# Altium PCB Matrix.PcbDoc (part 2 of 4)
Units mm, origin at the board's own origin, x right, y up, seen from the top; angles counter-clockwise.
Board outline 198.9 x 200.83 mm, 2 copper layers (Top Layer, Bottom Layer), stack 1.55 mm thick; 406 components, 231 nets, 2159 pads, 789 vias.
Unrouted connection lines stored in the file: 16.
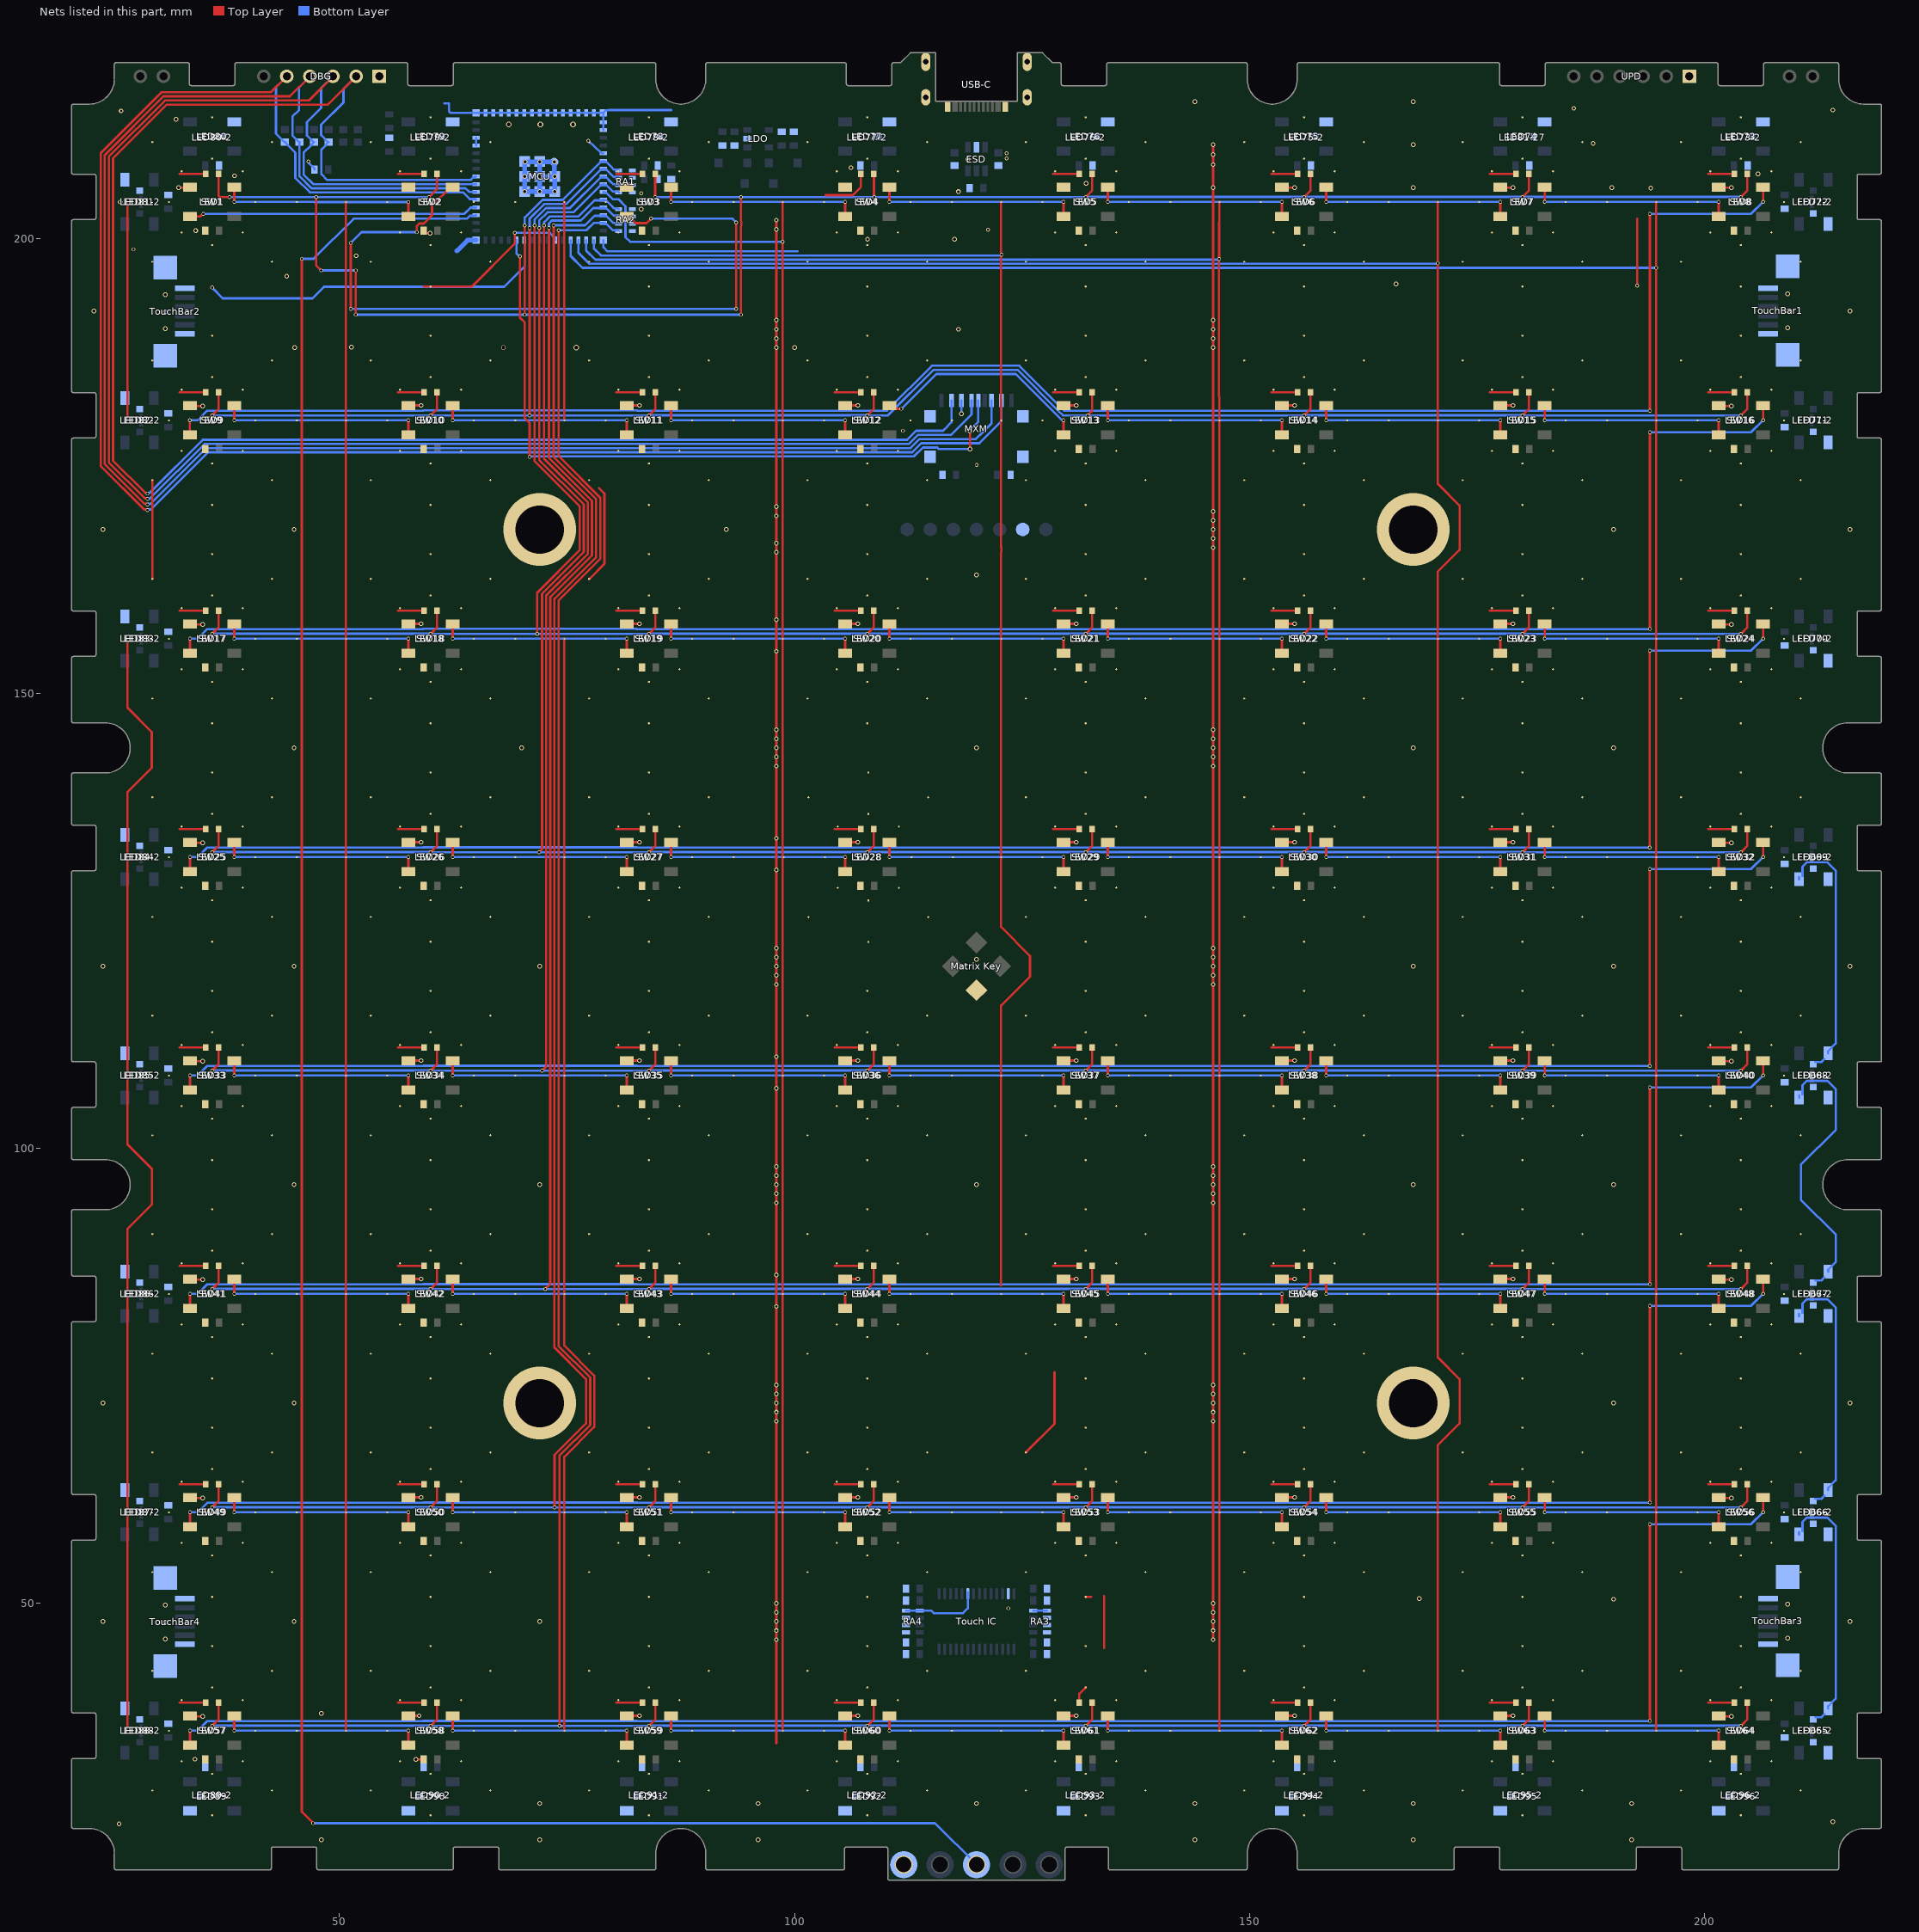
[diagram p2: the nets of this part, all layers, seen from the top]

## Via types
v1: diameter 0.406, hole 0.254, Top Layer to Bottom Layer, tented both sides, 443 vias
v2: diameter 0.508, hole 0.318, Top Layer to Bottom Layer, tented both sides, 331 vias
v3: diameter 0.349, hole 0.254, Top Layer to Bottom Layer, tented both sides, 6 vias
v4: diameter 8, hole 5.3, Top Layer to Bottom Layer, 4 vias
v5: diameter 0.635, hole 0.397, Top Layer to Bottom Layer, tented both sides, 3 vias
v6: diameter 0.508, hole 0.406, Top Layer to Bottom Layer, tented both sides, 1 vias
v7: diameter 0.61, hole 0.406, Top Layer to Bottom Layer, tented both sides, 1 vias

## Nets (pads, with @x,y where several pads share a name; then routed paths per layer and width w, separated by ;. In a path a pad name is that pad's centre, name@x,y a point inside that pad or via, vN(x,y) a via of type N, cw(c..) or ccw(c..) an arc to the next point about the centre after c; other vN are vias at no path point) (continued)
GND: "Matrix Key.2"@120,117.384 "Touch IC.20" "Touch IC.27" C1.1 C2.1 C3.1 C4.2 C5.2 C6.1 C7.1 C8.2 C9.2 C10.2 DBG.1 ESD.2 LC1.1 LC2.1 LC3.1 LC4.1 LC5.1 LC6.1 LC7.1 LC8.1 LC9.1 LC10.1 LC11.1 LC12.1 LC13.1 LC14.1 LC15.1 LC16.1 LC17.1 LC18.1 LC19.1 LC20.1 LC21.1 LC22.1 LC23.1 LC24.1 LC25.1 LC26.1 LC27.1 LC28.1 LC29.1 LC30.1 LC31.1 LC32.1 LC33.1 LC34.1 LC35.1 LC36.1 LC37.1 LC38.1 LC39.1 LC40.1 LC41.1 LC42.1 LC43.1 LC44.1 LC45.1 LC46.1 LC47.1 LC48.1 LC49.1 LC50.1 LC51.1 LC52.1 LC53.1 LC54.1 LC55.1 LC56.1 LC57.1 LC58.1 LC59.1 LC60.1 LC61.1 LC62.1 LC63.1 LC64.1 LC65.1 LC66.1 LC67.1 LC68.1 LC69.1 LC70.1 LC71.1 LC72.1 LC73.1 LC74.1 LC75.1 LC76.1 LC77.1 LC78.1 LC79.1 LC80.1 LC81.1 LC82.1 LC83.1 LC84.1 LC85.1 LC86.1 LC87.1 LC88.1 LC89.1 LC90.1 LC91.1 LC92.1 LC93.1 LC94.1 LC95.1 LC96.1 LDO.2 LED1.3 LED2.3 LED3.3 LED4.3 LED5.3 LED6.3 LED7.3 LED8.3 LED9.3 LED10.3 LED11.3 LED12.3 LED13.3 LED14.3 LED15.3 LED16.3 LED17.3 LED18.3 LED19.3 LED20.3 LED21.3 LED22.3 LED23.3 LED24.3 LED25.3 LED26.3 LED27.3 LED28.3 LED29.3 LED30.3 LED31.3 LED32.3 LED33.3 LED34.3 LED35.3 LED36.3 LED37.3 LED38.3 LED39.3 LED40.3 LED41.3 LED42.3 LED43.3 LED44.3 LED45.3 LED46.3 LED47.3 LED48.3 LED49.3 LED50.3 LED51.3 LED52.3 LED53.3 LED54.3 LED55.3 LED56.3 LED57.3 LED58.3 LED59.3 LED60.3 LED61.3 LED62.3 LED63.3 LED64.3 LED65-2.3 LED65.3 LED66-2.3 LED66.3 LED67-2.3 LED67.3 LED68-2.3 LED68.3 LED69-2.3 LED69.3 LED70-2.3 LED70.3 LED71-2.3 LED71.3 LED72-2.3 LED72.3 LED73-2.3 LED73.3 LED74.3 LED75-2.3 LED75.3 LED76-2.3 LED76.3 LED77-2.3 LED77.3 LED78-2.3 LED78.3 LED79-2.3 LED79.3 LED80-2.3 LED80.3 LED81-2.3 LED81-27.3 LED81.3 LED82-2.3 LED82.3 LED83-2.3 LED83.3 LED84-2.3 LED84.3 LED85-2.3 LED85.3 LED86-2.3 LED86.3 LED87-2.3 LED87.3 LED88-2.3 LED88.3 LED89-2.3 LED89.3 LED90-2.3 LED90.3 LED91-2.3 LED91.3 LED92-2.3 LED92.3 LED93-2.3 LED93.3 LED94-2.3 LED94.3 LED95-2.3 LED95.3 LED96-2.3 LED96.3 MCU.1 MCU.2 MCU.42 MCU.43 MCU.46 MCU.47 MCU.48 MCU.49 MCU.50 MCU.51 MCU.52 MCU.53 MCU.54 MCU.55 MCU.56 MCU.57 MCU.58 MCU.59 MCU.60 MCU.61 MCU.62 MCU.63 MCU.64 MCU.65 MXM.0 MXM.6 P5.5 pad.2 pad.@112,21.277 R1.2 R2.1 RA1.5 RA1.6 RA1.7 RA1.8 RA2.5 RA2.6 RA2.7 RA2.8 RA3.1 RA3.5 RA3.6 RA3.7 RA3.8 RA4.4 RA4.5 RA4.6 RA4.7 RA4.8 TC1.1 TC2.1 TC3.1 TC4.1 TC5.1 TC6.1 TC7.1 TC8.1 TouchBar1.0 TouchBar1.1 TouchBar1.6 TouchBar2.0 TouchBar2.1 TouchBar2.6 TouchBar3.0 TouchBar3.1 TouchBar3.6 TouchBar4.0 TouchBar4.1 TouchBar4.6 UPD.1 USB-C.0 USB-C.A1 USB-C.A12 | length 510.5
  Top Layer w0.254: v2(32.3,205.572) 33.533,205.572 LED1.3@33.562,205.6 LED1.3@33.59,205.572 ; LED57.3@33.583,37.579 v2(34.953,37.579) ; LED49.3@33.583,61.579 v2(34.953,61.579) ; LED41.3@33.583,85.579 v2(34.953,85.579) ; LED33.3@33.583,109.579 v2(34.953,109.579) ; LED25.3@33.583,133.579 v2(34.953,133.579) ; LED17.3@33.583,157.579 v2(34.953,157.579) ; LED9.3@33.583,181.579 v2(34.953,181.579) ; LED58.3@57.583,37.579 57.646,37.641 v2(58.75,37.641) ; LED50.3@57.583,61.579 57.646,61.641 v2(58.953,61.641) ; LED42.3@57.583,85.579 57.646,85.641 v2(58.953,85.641) ; LED34.3@57.583,109.579 57.646,109.641 v2(58.953,109.641) ; LED26.3@57.583,133.579 57.646,133.641 v2(58.953,133.641) ; LED18.3@57.583,157.579 57.646,157.641 v2(58.953,157.641) ; LED10.3@57.583,181.579 57.646,181.641 v2(58.953,181.641) ; v2(58.395,32.847) 59.247,32.847 LC58.1@59.25,32.85 ; LC2.1@59.25,200.75 59.442,200.558 v2(59.946,200.558) ; LED3.3@81.562,205.6 LED3.3@81.567,205.605 ; LED59.3@81.583,37.579 81.646,37.641 v2(82.953,37.641) ; LED51.3@81.583,61.579 81.646,61.641 v2(82.953,61.641) ; LED43.3@81.583,85.579 81.646,85.641 v2(82.953,85.641) ; LED35.3@81.583,109.579 81.646,109.641 v2(82.953,109.641) ; LED27.3@81.583,133.579 81.646,133.641 v2(82.953,133.641) ; LED19.3@81.583,157.579 81.646,157.641 v2(82.953,157.641) ; LED11.3@81.583,181.579 81.646,181.641 v2(82.953,181.641) ; 98,34.619 v2(98,82.619) v2(98,86.101) v2(98,106.576) v2(98,110.059) v2(98,130.576) v2(98,134.059) v2(98,154.619) v2(98,158.101) v2(98,201) v2(98,202) ; LED60.3@105.583,37.579 105.646,37.641 v2(106.953,37.641) ; LED52.3@105.583,61.579 105.646,61.641 v2(106.953,61.641) ; LED44.3@105.583,85.579 105.646,85.641 v2(106.953,85.641) ; LED36.3@105.583,109.579 105.646,109.641 v2(106.953,109.641) ; LED28.3@105.583,133.579 105.646,133.641 v2(106.953,133.641) ; LED20.3@105.583,157.579 105.646,157.641 v2(106.953,157.641) ; LED12.3@105.583,181.579 105.646,181.641 v2(106.953,181.641) ; LED4.3@105.583,205.579 LED4.3@105.759,205.754 ; LED61.3@129.583,37.579 129.646,37.641 v2(130.953,37.641) ; LED53.3@129.583,61.579 129.646,61.641 v2(130.953,61.641) ; LED45.3@129.583,85.579 129.646,85.641 v2(130.953,85.641) ; LED37.3@129.583,109.579 129.646,109.641 v2(130.953,109.641) ; LED29.3@129.583,133.579 129.646,133.641 v2(130.953,133.641) ; LED21.3@129.583,157.579 129.646,157.641 v2(130.953,157.641) ; LED13.3@129.583,181.579 129.646,181.641 v2(130.953,181.641) ; v2(146,46) v2(146,47) v2(146,48) v2(146,49) v2(146,50) v2(146,70) v2(146,71) v2(146,72) v2(146,73) v2(146,74) v2(146,94) v2(146,95) v2(146,96) v2(146,97) v2(146,98) v2(146,118) v2(146,119) v2(146,120) v2(146,121) v2(146,122) v2(146,142) v2(146,143) v2(146,144) v2(146,145) v2(146,146) v2(146,166) v2(146,167) v2(146,168) v2(146,169) v2(146,170) v2(146,188) v2(146,189) v2(146,190) v2(146,191) v2(146,205.579) v2(146,208.095) v2(146,209.193) v2(146,210.291) ; LED62.3@153.583,37.579 153.646,37.641 v2(154.953,37.641) ; LED54.3@153.583,61.579 153.646,61.641 v2(154.953,61.641) ; LED46.3@153.583,85.579 153.646,85.641 v2(154.953,85.641) ; LED38.3@153.583,109.579 153.646,109.641 v2(154.953,109.641) ; LED30.3@153.583,133.579 153.646,133.641 v2(154.953,133.641) ; LED22.3@153.583,157.579 153.646,157.641 v2(154.953,157.641) ; LED14.3@153.583,181.579 153.646,181.641 v2(154.953,181.641) ; LED6.3@153.583,205.579 v2(154.953,205.579) ; LED63.3@177.583,37.579 177.646,37.641 v2(178.953,37.641) ; LED55.3@177.583,61.579 177.646,61.641 v2(178.953,61.641) ; LED47.3@177.583,85.579 177.646,85.641 v2(178.953,85.641) ; LED39.3@177.583,109.579 177.646,109.641 v2(178.953,109.641) ; LED31.3@177.583,133.579 177.646,133.641 v2(178.953,133.641) ; LED23.3@177.583,157.579 177.646,157.641 v2(178.953,157.641) ; LED15.3@177.583,181.579 177.646,181.641 v2(178.953,181.641) ; LED7.3@177.583,205.579 v2(178.953,205.579) ; v1(192.6,194.784) 192.6,202.144 ; LED64.3@201.583,37.579 v2(202.953,37.579) ; LED56.3@201.583,61.579 v2(202.953,61.579) ; LED48.3@201.583,85.579 v2(202.953,85.579) ; LED40.3@201.583,109.579 v2(202.953,109.579) ; LED32.3@201.583,133.579 v2(202.953,133.579) ; LED24.3@201.583,157.579 v2(202.953,157.579) ; LED16.3@201.583,181.579 v2(202.953,181.579) ; LED8.3@201.583,205.579 v2(202.953,205.579)
  Bottom Layer w0.254: v1(46.584,208.443) 46.613,208.413 46.613,208.287 47.25,207.65 C10.2@47.25,207.55 ; 61.496,214.828 62.025,214.828 62.025,213.949 62.174,213.8 MCU.46@66.05,213.8 MCU.47@66.9,213.8 MCU.48@67.75,213.8 MCU.49@68.6,213.8 MCU.50@69.45,213.8 MCU.51@70.3,213.8 MCU.52@71.15,213.8 MCU.53@72,213.8 MCU.54@72.85,213.8 MCU.55@73.7,213.8 MCU.56@74.55,213.8 MCU.57@75.4,213.8 MCU.58@76.25,213.8 MCU.59@77.1,213.8 MCU.60@77.95,213.8 MCU.62@79,213.8 ; MCU.42@65,210.2 MCU.43@65,211.05 ; MCU.63@79,199.8 79,199.019 79.454,198.565 100.328,198.565 ; MCU.2@79,211.9 MCU.1@79,212.75 MCU.62@79,213.8 ; 86.447,214.086 79.604,214.086 79.575,214.056 79.256,214.056 MCU.62@79,213.8 ; LDO.2@94.773,210.923 LDO.2@94.8,210.95 ; RA4.8@112.25,49.2 RA4.4@113.75,49.2 115,49.2 115.284,48.916 118.514,48.916 119.047,49.45 119.047,51.05 119.047,51.229 ; v2(118.347,180.7) 118.348,180.702 MXM.6@118.35,182.185 MXM.6@118.35,182.185 ; RA3.1@126.25,49.2 RA3.5@127.75,49.2
  Bottom Layer w0.508: 62.883,198.61 64.073,199.8 MCU.64@65,199.8 ; MCU.61@72,208.45 v2(72,208.412) ; MCU.61@73.65,205.023 MCU.61@73.65,206.673 ; v2(73.65,205.15) 73.613,205.187 73.575,205.15 v2(72,205.15) ; v2(70.35,206.8) MCU.61@70.35,208.45 v2(70.388,208.412) v2(72,208.412) ; v2(70.35,206.8) v2(72,206.8) ; v2(70.35,206.8) v2(70.35,205.15) v2(72,205.15) ; v2(72,205.15) v2(72,206.8) ; v2(72,206.8) v2(73.65,206.8) 73.613,206.8 73.613,208.338 MCU.61@73.575,208.375 73.538,208.412 v2(72,208.412) ; v2(72,206.8) v2(72,208.412)
  other v1: 123.492,49.446 120.011,175.082 111.915,178.844 27.363,198.79 121.259,200.928 83.147,204.958 123.316,208.772 123.316,209.35
  other v2: 48,24 72,24 96,24 144,24 168,24 192,24 25.774,25.774 214.111,26 72,28 96,28 120,28 144,28 168,28 192,28 34.115,32.867 48,37.891 98,46 30.85,46.058 209.15,46.158 98,47 30.85,47.927 24,48 45,48 72,48 98,48 216,48 209.15,48.027 98,49 30.85,49.797 209.15,49.897 98,50 190,50.437 168.663,50.5 98,70 98,71 24,72 45,72 98,72 190,72 216,72 98,73 98,74 98,94 98,95 45,96 72,96 98,96 120,96 168,96 190,96 98,97 98,98 98,118 98,119 24,120 45,120 72,120 98,120 168,120 190,120 216,120 120,120.761 98,121 98,122 98,142 98,143 45,144 70,144 98,144 120,144 168,144 190,144 98,145 98,146 120,163 98,165.5 98,166.5 24,168 45,168 92.486,168 190,168 216,168 98,169.5 98,170.5 45.082,188 98,188 100,188 51.317,188.042 98,189 98,190 118,190 30.85,190.058 209.15,190.158 98,191 30.85,191.927 23,192 216,192 209.15,192.027 30.85,193.797 209.15,193.897 166.1,195 44.2,195.84 51.82,198.083 108.025,199.882 117.575,199.908 34.185,200.85 83.146,203.2 25.904,203.98 117.996,205.124 194.1,205.536 168,205.579 189.826,205.579 132.051,206.022 38.438,206.866 205.885,207.08 106.185,207.76 73.612,208.412 119.05,208.7 168,210.291 187.77,210.417 32.019,213.086 26,214 214.093,214.093 185.64,214.288 144,215.004 168,215.003
  other v4: 72,72 168,72 72,168 168,168
  other v5: 68.6,212.502 72.058,212.502 75.658,212.512
  other v6: 68,188
  other v7: 76,188
JTCK: DBG.5 MCU.35 MXM.2 R11.2 | length 199.1
  Top Layer w0.254: v1(28.894,170.136) 28.852,170.136 28.776,170.212 28.531,170.212 23.747,174.996 23.747,209.347 30.456,216.056 42.456,216.056 DBG.5@44.2,217.8
  Bottom Layer w0.254: v1(28.894,170.136) 28.935,170.136 29.011,170.212 29.256,170.212 35.535,176.492 112.952,176.492 113.94,177.48 120.314,177.48 122.75,179.916 MXM.2@122.75,182.185 ; R11.2@44,210.56 45.146,209.414 45.146,206.629 46.725,205.05 63.581,205.05 64.308,204.323 64.927,204.323 MCU.35@65,204.25 ; R11.2@44.05,210.56 43.95,210.56 43.011,211.499 43.011,216.611 DBG.5@44.2,217.8
JTDI: DBG.3 MCU.37 MXM.5 R9.2 | length 195.9
  Top Layer w0.254: v1(28.894,171.349) 28.852,171.349 28.776,171.425 28.603,171.425 24.655,175.372 24.655,208.971 30.832,215.148 46.628,215.148 DBG.3@49.28,217.8
  Bottom Layer w0.254: v1(28.894,171.349) 28.923,171.378 29.138,171.378 35.159,177.4 112.576,177.4 113.564,178.388 117.198,178.388 119.45,180.64 MXM.5@119.45,182.185 ; R9.2@47.2,210.56 R9.2@47.15,210.56 ; DBG.3@49.28,217.8 47.974,216.494 47.974,214.326 46.423,212.775 46.423,211.287 R9.2@47.15,210.56 ; MCU.37@65,205.95 64.043,205.95 64.035,205.958 47.101,205.958 46.054,207.005 46.054,209.414 46.877,210.237 46.877,210.287 R9.2@47.15,210.56
JTDO: DBG.4 MCU.36 MXM.3 R10.2 | length 197.9
  Top Layer w0.254: v1(28.894,170.742) 28.852,170.742 28.776,170.819 28.567,170.819 24.201,175.184 24.201,209.159 30.644,215.602 44.542,215.602 DBG.4@46.74,217.8
  Bottom Layer w0.254: v1(28.894,170.742) 28.935,170.742 29.011,170.819 29.22,170.819 35.347,176.946 112.764,176.946 113.752,177.934 119.915,177.934 120.668,178.686 121.65,179.668 MXM.3@121.65,182.185 ; R10.2@45.6,210.56 45.6,206.817 46.913,205.504 63.847,205.504 64.251,205.1 MCU.36@65,205.1 ; R10.2@45.65,210.56 45.55,210.56 44.823,211.287 44.823,213.384 45.551,214.112 45.551,216.611 DBG.4@46.74,217.8
JTMS: DBG.2 MCU.38 MXM.7 R8.2 | length 193.4
  Top Layer w0.254: v1(28.894,171.955) 28.852,171.955 28.776,172.031 28.638,172.031 25.109,175.56 25.109,208.783 31.02,214.694 48.714,214.694 DBG.2@51.82,217.8
  Bottom Layer w0.254: v1(28.894,171.955) 28.935,171.955 29.011,172.031 29.149,172.031 34.971,177.854 112.388,177.854 113.376,178.842 116.312,178.842 116.46,178.99 116.46,179 117.25,179.79 MXM.7@117.25,182.185 ; R8.2@48.8,210.56 R8.2@48.75,210.56 ; DBG.2@51.82,217.8 50.427,216.407 50.427,214.922 47.977,212.472 47.977,211.333 R8.2@48.75,210.56 ; MCU.38@65,206.8 64.927,206.727 64.727,206.727 64.477,206.477 64.465,206.477 64.4,206.412 48.626,206.412 48,207.038 48,209.76 48.477,210.237 48.477,210.287 R8.2@48.75,210.56
Key1: MCU.25 SW1.1 SW9.1 SW17.1 SW25.1 SW33.1 SW41.1 SW49.1 SW57.1 | length 198.6
  Top Layer w0.254: SW57.1@26.7,36 SW49.1@26.7,60 SW41.1@26.7,84 26.7,91.146 29.394,93.84 29.394,97.71 26.7,100.404 SW33.1@26.7,108 SW25.1@26.7,132 26.7,139.146 29.364,141.811 29.364,145.739 26.7,148.404 SW17.1@26.7,156 ; SW9.1@26.7,180 SW1.1@26.7,204 ; SW17.1@29.424,162.576 SW9.1@29.424,173.424 ; v1(36,194.578) SW1.1@36,194.7
  Bottom Layer w0.254: v1(36,194.578) 37.168,193.41 47.014,193.41 48.284,194.68 68.081,194.68 70.356,196.955 70.356,199.744 MCU.25@70.3,199.8
Key2: MCU.21 SW2.1 SW10.1 SW18.1 SW26.1 SW34.1 SW42.1 SW50.1 SW58.1 | length 186.1
  Top Layer w0.254: SW58.1@50.7,36 SW50.1@50.7,60 SW42.1@50.7,84 SW34.1@50.7,108 SW26.1@50.7,132 SW18.1@50.7,156 SW10.1@50.7,180 50.703,180.003 50.703,203.997 SW2.1@50.7,204 ; 59.255,194.7 SW2.1@60,194.7 64.548,194.7 69.253,199.405 v1(69.253,200.603)
  Bottom Layer w0.254: v1(69.253,200.603) 70.425,200.603 70.431,200.598 73.115,200.598 73.377,200.335 73.377,200.323 73.627,200.073 73.627,199.873 MCU.21@73.7,199.8
Key3: MCU.5 SW3.1 SW11.1 SW19.1 SW27.1 SW35.1 SW43.1 SW51.1 SW59.1 | length 160
  Top Layer w0.254: SW59.1@74.7,36 SW51.1@74.7,60 74.7,66.101 77.995,69.396 77.995,75.005 74.7,78.299 SW43.1@74.7,84 SW35.1@74.7,108 SW27.1@74.7,132 SW19.1@74.7,156 ; SW11.1@74.7,180 SW3.1@74.7,204 ; v1(77.341,210.705) 77.341,210.664 77.424,210.58 SW3.1@77.424,210.576 ; SW19.1@77.424,162.546 77.439,162.561 79.108,164.227 79.108,171.922 79.121,171.935 78.522,172.534
  Bottom Layer w0.254: v1(77.341,210.705) 78.727,209.423 78.8,209.35 MCU.5@79,209.35
Key4: MCU.10 SW4.1 SW12.1 SW20.1 SW28.1 SW36.1 SW44.1 SW52.1 SW60.1 | length 191.9
  Top Layer w0.254: SW4.1@98.676,204 98.676,199.118 98.7,199.095 SW12.1@98.7,180 SW20.1@98.7,156 SW36.1@98.7,108 SW60.1@98.7,36
  Bottom Layer w0.254: MCU.10@79,205.1 79.073,205.027 79.285,205.027 80.019,204.294 80.645,204.294 81.426,203.512 81.426,200.127 81.928,199.625 v1(98.676,199.625)
Key5: MCU.16 SW5.1 SW13.1 SW21.1 SW29.1 SW37.1 SW45.1 SW53.1 SW61.1 | length 184.2
  Top Layer w0.254: 122.7,84.904 122.7,115.687 125.873,118.86 125.873,121.14 122.7,124.313 SW29.1@122.7,132 SW21.1@122.7,156 122.7,165.516 122.744,165.559 122.744,166.041 122.704,166.081 122.704,179.967 SW13.1@122.7,179.971 ; SW13.1@122.7,180.029 122.7,183.241 122.689,183.252 122.689,198.005 122.734,198.05 122.734,198.158 v1(122.764,198.187) ; v1@122.7,198.187 SW5.1@122.7,204 ; SW53.1@125.424,66.576 128.568,69.72 128.568,75.392 ; SW53.1@132,50.7 132.59,50.7 ; 134.042,45.1 134.042,50.773
  Bottom Layer w0.254: MCU.16@77.95,199.8 77.95,198.87 78.71,198.111 122.646,198.111 122.722,198.187 v1(122.764,198.187)
Key6: MCU.17 SW6.1 SW14.1 SW22.1 SW30.1 SW38.1 SW46.1 SW54.1 SW62.1 | length 239.2
  Top Layer w0.254: SW62.1@146.7,36 SW54.1@146.7,60 SW46.1@146.7,84 SW38.1@146.7,108 SW30.1@146.7,132 SW22.1@146.7,156 SW14.1@146.7,180 146.7,182.6 146.636,182.664 146.636,197.712 v1(146.657,197.733) 146.657,201.772 146.7,201.815 SW6.1@146.7,204
  Bottom Layer w0.254: MCU.17@77.1,199.8 77.1,198.665 78.109,197.657 146.539,197.657 146.616,197.733 v1(146.657,197.733)
Key7: MCU.18 SW7.1 SW15.1 SW23.1 SW31.1 SW39.1 SW47.1 SW55.1 SW63.1 | length 268.3
  Top Layer w0.254: SW63.1@170.7,36 170.7,67.385 173.087,69.772 173.087,74.629 170.7,77.015 SW47.1@170.7,84 SW39.1@170.7,108 SW31.1@170.7,132 SW23.1@170.7,156 170.7,163.385 173.087,165.772 173.087,170.629 170.7,173.015 v1(170.7,197.279) SW7.1@170.7,204
  Bottom Layer w0.254: MCU.18@76.25,199.8 76.25,198.405 77.453,197.203 170.583,197.203 170.659,197.279 v1(170.7,197.279)
Key8: MCU.19 SW8.1 SW16.1 SW24.1 SW32.1 SW40.1 SW48.1 SW56.1 SW64.1 | length 289.6
  Top Layer w0.254: SW64.1@194.7,36 v1(194.7,196.749) SW8.1@194.7,204
  Bottom Layer w0.254: MCU.19@75.4,199.8 75.4,198.053 76.704,196.749 v1(194.7,196.749)
KeyRead1: D1.2 D2.2 D3.2 D4.2 D5.2 D6.2 D7.2 D8.2 MCU.6 RA1.1 | length 260.3
  Top Layer w0.254: D1.2@36.7,207.08 36.7,204.677 36.849,204.529 37.896,204.529 v1(37.908,204.541) ; v1(47.443,204.52) 47.444,197.004 47.924,196.524 v1@47.97,196.524 ; v1(51.764,191.611) v1(51.764,196.474) ; v1(59.829,204.52) 60.7,205.391 D2.2@60.7,207.08 ; 70.356,200.908 v1(70.356,201.422) ; v1@70.356,191.611 70.356,200.908 ; v1(84.676,204.53) 84.688,204.542 84.688,207.068 D3.2@84.7,207.08 ; v1@94.097,191.627 v1(94.097,191.611) 94.113,191.627 94.113,201.375 94.148,201.41 94.148,201.849 94.113,201.884 94.113,204.514 v1(94.097,204.53) ; D4.2@108.7,207.08 108.721,207.059 108.721,204.551 v1(108.742,204.53) ; v1(132,204.53) 132.7,205.23 D5.2@132.7,207.08 ; v1(156,204.53) 156.7,205.23 D6.2@156.7,207.08 ; v1(180,204.53) 180.7,205.23 D7.2@180.7,207.08 ; v1(204,204.53) 204.7,205.23 D8.2@204.7,207.08
  Bottom Layer w0.254: v1(37.908,204.541) 37.918,204.53 38.658,204.53 v1@47.433,204.53 ; v1(47.443,204.52) v1(59.829,204.52) ; v1(47.974,196.474) v1@51.59,196.474 ; v1(51.764,191.611) v1(70.356,191.611) v1(94.097,191.611) ; v1(70.356,201.422) 70.356,202.277 72.302,204.223 74.511,204.223 78.715,208.427 78.927,208.427 MCU.6@79,208.5 79.073,208.427 79.285,208.427 79.795,207.917 80.164,207.548 80.578,207.548 RA1.1@80.676,207.45 ; v1(84.676,204.53) v1(94.097,204.53) ; v1@94.155,204.53 v1(108.742,204.53) 132,204.53 132.02,204.55 155.546,204.55 155.98,204.55 v1(156,204.53) ; v1@156,204.55 179.98,204.55 v1(180,204.53) ; v1@180,204.55 203.98,204.55 v1(204,204.53)
KeyRead2: D9.2 D10.2 D11.2 D12.2 D13.2 D14.2 D15.2 D16.2 MCU.7 RA1.2 | length 228.9
  Top Layer w0.254: v1(36,180.53) 36.7,181.23 D9.2@36.7,183.08 ; v1(60,180.53) 60.7,181.23 D10.2@60.7,183.08 ; v1(70.886,180.53) v1(70.886,201.128) ; v1(84,180.53) 84.7,181.23 D11.2@84.7,183.08 ; v1(108,180.53) 108.7,181.23 D12.2@108.7,183.08 ; v1(132.223,180.53) 132.7,181.007 D13.2@132.7,183.08 ; v1(156,180.53) 156.7,181.23 D14.2@156.7,183.08 ; v1(180,180.53) 180.7,181.23 D15.2@180.7,183.08 ; v1(204,180.53) 204.7,181.23 D16.2@204.7,183.08
  Bottom Layer w0.254: v1(36,180.53) v1(60,180.53) ; v1@60.02,180.53 v1(70.886,180.53) v1(84,180.53) ; v1(70.886,201.128) 70.886,202.165 72.49,203.769 74.907,203.769 78.715,207.577 78.927,207.577 MCU.7@79,207.65 79.073,207.577 79.285,207.577 79.77,207.092 80.129,206.734 80.592,206.734 RA1.2@80.676,206.65 ; v1@84,180.55 107.98,180.55 v1(108,180.53) 110.267,180.53 115.283,185.546 124.502,185.546 129.018,181.03 129.518,180.53 v1(132.223,180.53) ; v1@132.26,180.497 132.293,180.53 v1(156,180.53) ; v1@156,180.55 179.98,180.55 v1(180,180.53) ; v1@180.01,180.54 180.02,180.53 v1(204,180.53)
KeyRead3: D17.2 D18.2 D19.2 D20.2 D21.2 D22.2 D23.2 D24.2 MCU.8 RA1.3 | length 251.9
  Top Layer w0.254: v1(36,156.53) 36.7,157.23 D17.2@36.7,159.08 ; v1(60,156.53) 60.7,157.23 D18.2@60.7,159.08 ; v1@71.383,201.385 71.416,201.352 71.416,175.533 76.384,170.565 76.384,165.728 71.721,161.064 v1(71.721,156.53) ; v1(84,156.53) 84.7,157.23 D19.2@84.7,159.08 ; v1(108,156.53) 108.7,157.23 D20.2@108.7,159.08 ; v1(132,156.53) 132.7,157.23 D21.2@132.7,159.08 ; v1(156,156.53) 156.7,157.23 D22.2@156.7,159.08 ; v1(180,156.53) 180.7,157.23 D23.2@180.7,159.08 ; v1(204,156.53) 204.7,157.23 D24.2@204.7,159.08
  Bottom Layer w0.254: v1@36,156.55 59.98,156.55 v1(60,156.53) ; v1@60.02,156.53 v1(84,156.53) ; v1(71.416,201.422) 71.416,202.053 72.678,203.315 75.303,203.315 78.715,206.727 78.927,206.727 MCU.8@79,206.8 79.073,206.727 79.285,206.727 79.745,206.267 80.063,205.949 80.279,205.949 80.28,205.948 80.578,205.948 RA1.3@80.676,205.85 ; v1@84,156.55 107.98,156.55 v1(108,156.53) ; v1@108,156.55 131.98,156.55 v1(132,156.53) ; v1@132,156.55 155.98,156.55 v1(156,156.53) ; v1@156,156.55 179.98,156.55 v1(180,156.53) ; v1@180,156.55 180.02,156.53 v1(204,156.53)